# KiCad board central-control-unit.kicad_pcb (continued)
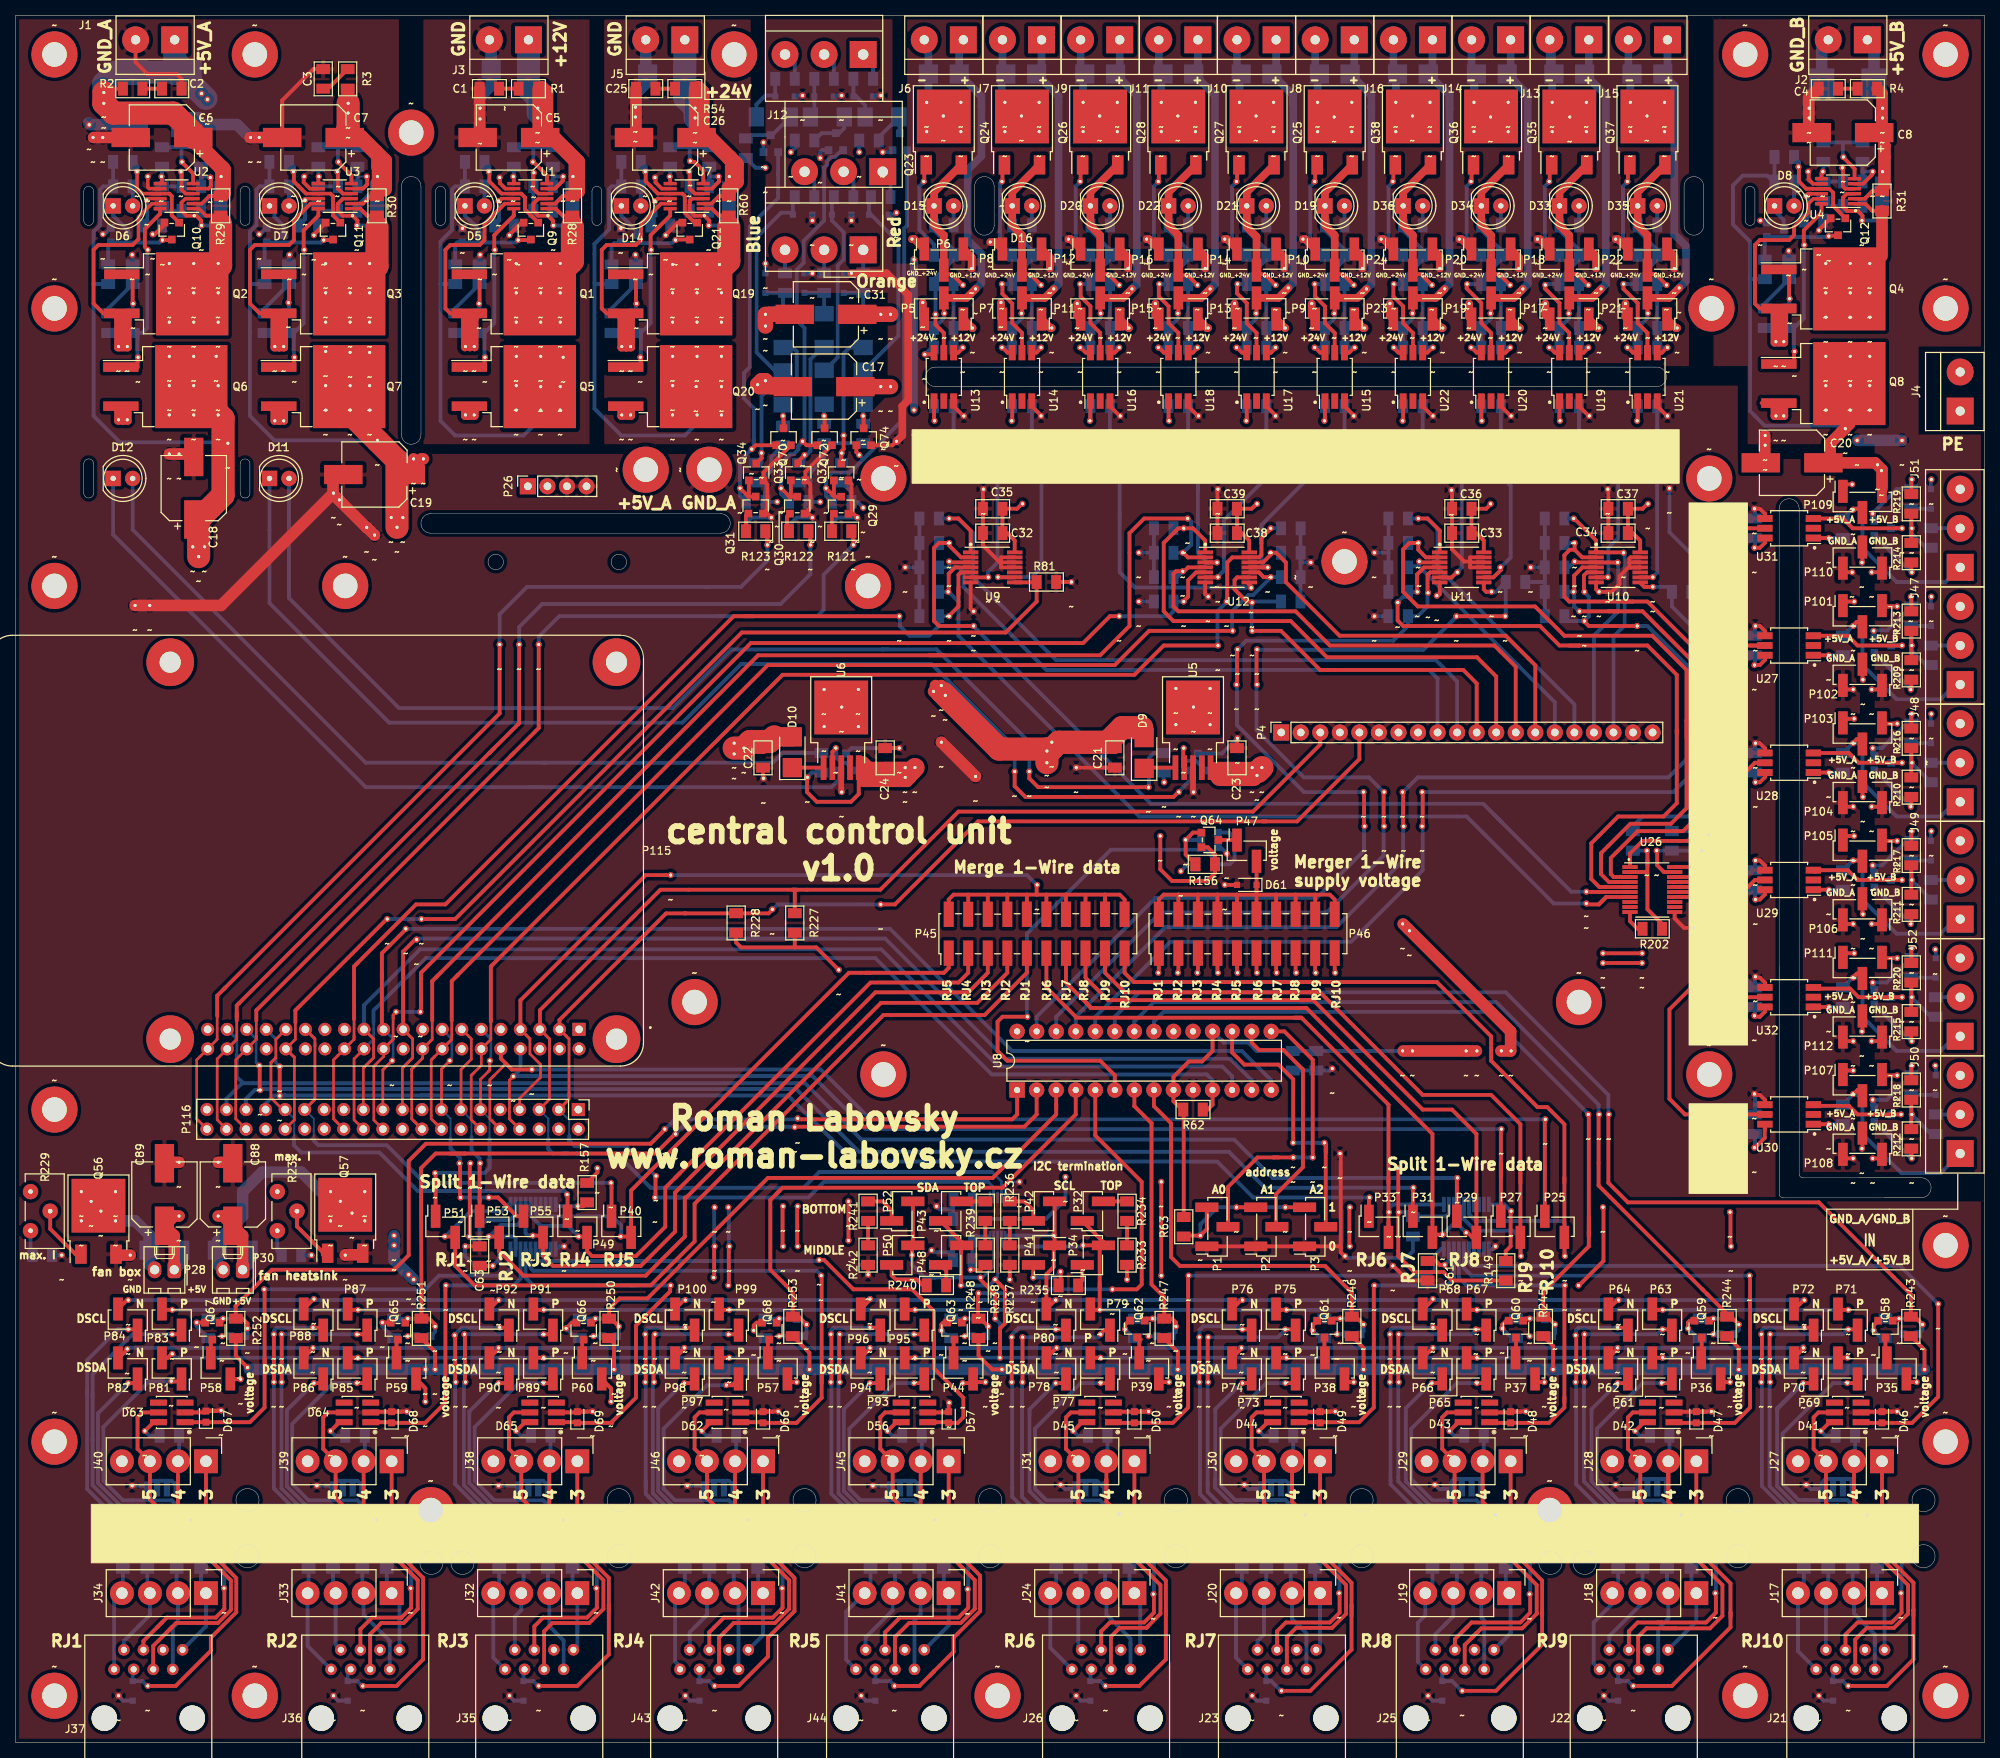
[diagram p0: board, top side]
## Nets (continued)
SYS_+5V: C18.1 C22.1 D10.2 P26.1 P26.2 Q6.3 R41.1 R45.1 R49.1 ~#11.1 ~#350.~ ~#398.~ ~#427.~ ~#774.~ ~#775.~ ~#856.~ ~#884.~ ~#885.~ ~#886.~ ~#887.~ ~#888.~ ~#889.~ ~#890.~ ~#891.~ ~#1139.~ ~#1143.~
Net-(C1-Pad1): C1.1 R1.2
Net-(C2-Pad1): C2.1 R2.2
Net-(C3-Pad1): C3.1 R3.2
Net-(C4-Pad1): C4.1 R4.2
Net-(C5-Pad1): C5.1 D1.1 J3.1 R1.1 R5.1 R24.1 R28.2 U1.2 ~#803.~ ~#804.~ ~#805.~
Net-(C8-Pad1): C8.1 D4.1 J2.1 R4.1 R19.1 R27.1 R31.2 U4.2 ~#521.~ ~#527.~ ~#724.~
Net-(C9-Pad1): C9.1 U1.10 ~#802.~
Net-(C10-Pad1): C10.1 U2.10 ~#419.~
Net-(C11-Pad1): C11.1 U3.10 ~#434.~
Net-(C12-Pad1): C12.1 U4.10 ~#529.~
Net-(C13-Pad1): C13.1 R36.1
Net-(C14-Pad1): C14.1 R37.1
Net-(C15-Pad1): C15.1 R38.1
Net-(C16-Pad1): C16.1 R39.1
Net-(C25-Pad1): C25.1 R54.2
Net-(C26-Pad1): C26.1 D13.1 J5.1 R54.1 R55.1 R59.1 R60.2 U7.2 ~#813.~ ~#826.~ ~#838.~
Net-(C27-Pad1): C27.1 U7.10 ~#832.~
Net-(C28-Pad1): C28.1 R64.1
Net-(C40-Pad1): C40.1 C41.1 D17.1 J6.1 P5.2 U13.6 ~#444.~ ~#765.~ ~#766.~
Net-(C40-Pad2): C40.2 C41.2 D15.1 P6.2 Q23.2 R98.2 U13.4 ~#445.~ ~#1117.~
Net-(C42-Pad1): C42.1 C43.1 D18.1 J7.1 P7.2 U14.6 ~#450.~ ~#763.~ ~#764.~
Net-(C42-Pad2): C42.2 C43.2 D16.1 P8.2 Q24.2 R100.2 U14.4 ~#448.~ ~#451.~
Net-(C44-Pad1): C44.1 C46.1 D23.1 J8.1 P9.2 U15.6 ~#470.~ ~#755.~ ~#756.~
Net-(C44-Pad2): C44.2 C46.2 D19.1 P10.2 Q25.2 R108.2 U15.4 ~#469.~ ~#471.~
Net-(C45-Pad1): C45.1 C49.1 D24.1 J9.1 P11.2 U16.6 ~#455.~ ~#761.~ ~#762.~
Net-(C45-Pad2): C45.2 C49.2 D20.1 P12.2 Q26.2 R111.2 U16.4 ~#454.~ ~#456.~
Net-(C47-Pad1): C47.1 C50.1 D25.1 J10.1 P13.2 U17.6 ~#465.~ ~#757.~ ~#758.~
Net-(C47-Pad2): C47.2 C50.2 D21.1 P14.2 Q27.2 R113.2 U17.4 ~#463.~ ~#466.~
Net-(C48-Pad1): C48.1 C51.1 D26.1 J11.1 P15.2 U18.6 ~#460.~ ~#759.~ ~#760.~
Net-(C48-Pad2): C48.2 C51.2 D22.1 P16.2 Q28.2 R115.2 U18.4 ~#458.~ ~#461.~
Net-(C52-Pad1): C52.1 C56.1 D37.1 J13.1 P17.2 U19.6 ~#485.~ ~#749.~ ~#750.~
Net-(C52-Pad2): C52.2 C56.2 D33.1 P18.2 Q35.2 R141.2 U19.4 ~#484.~ ~#486.~
Net-(C53-Pad1): C53.1 C57.1 D38.1 J14.1 P19.2 U20.6 ~#480.~ ~#751.~ ~#752.~
Net-(C53-Pad2): C53.2 C57.2 D34.1 P20.2 Q36.2 R142.2 U20.4 ~#479.~ ~#481.~
Net-(C54-Pad1): C54.1 C58.1 D39.1 J15.1 P21.2 U21.6 ~#489.~ ~#746.~ ~#747.~
Net-(C54-Pad2): C54.2 C58.2 D35.1 P22.2 Q37.2 R143.2 U21.4 ~#487.~ ~#490.~
Net-(C55-Pad1): C55.1 C59.1 D40.1 J16.1 P23.2 U22.6 ~#475.~ ~#753.~ ~#754.~
Net-(C55-Pad2): C55.2 C59.2 D36.1 P24.2 Q38.2 R144.2 U22.4 ~#474.~ ~#476.~
Net-(C82-Pad1): C82.1 D84.1 R209.1 R213.2 R221.2 ~#546.~
Net-(C82-Pad2): C82.2 D84.2 J47.3 P102.2 Q50.2 R213.1 ~#544.~ ~#548.~ ~#550.~ ~#709.~
Net-(C83-Pad1): C83.1 D85.1 R210.1 R216.2 R222.2 ~#555.~
Net-(C83-Pad2): C83.2 D85.2 J48.3 P104.2 Q51.2 R216.1 ~#552.~ ~#554.~ ~#558.~ ~#708.~
Net-(C84-Pad1): C84.1 D86.1 R211.1 R217.2 R223.2 ~#564.~
Net-(C84-Pad2): C84.2 D86.2 J49.3 P106.2 Q52.2 R217.1 ~#560.~ ~#562.~ ~#566.~ ~#707.~
Net-(C85-Pad1): C85.1 D87.1 R212.1 R218.2 R224.2 ~#580.~
Net-(C85-Pad2): C85.2 D87.2 J50.3 P108.2 Q53.2 R218.1 ~#576.~ ~#584.~ ~#685.~ ~#686.~
Net-(C86-Pad1): C86.1 D88.1 R214.1 R219.2 R225.2 ~#539.~
Net-(C86-Pad2): C86.2 D88.2 J51.3 P110.2 Q54.2 R219.1 ~#536.~ ~#538.~ ~#542.~ ~#710.~
Net-(C87-Pad1): C87.1 D89.1 R215.1 R220.2 R226.2 ~#572.~
Net-(C87-Pad2): C87.2 D89.2 J52.3 P112.2 Q55.2 R220.1 ~#568.~ ~#571.~ ~#574.~ ~#706.~
Net-(D5-Pad1): D5.1 Q13.3
Net-(D5-Pad2): D5.2 R48.2
Net-(D6-Pad1): D6.1 Q14.3
Net-(D6-Pad2): D6.2 R49.2
Net-(D7-Pad1): D7.1 Q15.3
Net-(D7-Pad2): D7.2 R50.2
Net-(D8-Pad1): D8.1 Q16.3
Net-(D8-Pad2): D8.2 R51.2
Net-(D9-Pad1): D9.1 U5.1
Net-(D10-Pad1): D10.1 U6.1
Net-(D11-Pad1): D11.1 Q17.2 ~#356.~ ~#390.~
Net-(D11-Pad2): D11.2 R52.2 ~#355.~ ~#389.~
Net-(D12-Pad1): D12.1 Q18.2
Net-(D12-Pad2): D12.2 R53.2
Net-(D14-Pad1): D14.1 Q22.3
Net-(D14-Pad2): D14.2 R67.2
Net-(D15-Pad2): D15.2 R96.2
Net-(D16-Pad2): D16.2 R97.2
Net-(D17-Pad2): D17.2 J6.2 Q23.3 ~#745.~ ~#921.~ ~#922.~ ~#923.~ ~#924.~
Net-(D18-Pad2): D18.2 J7.2 Q24.3 ~#491.~ ~#925.~ ~#926.~ ~#927.~ ~#928.~
Net-(D19-Pad2): D19.2 R106.2
Net-(D20-Pad2): D20.2 R107.2
Net-(D21-Pad2): D21.2 R109.2
Net-(D22-Pad2): D22.2 R110.2
Net-(D23-Pad2): D23.2 J8.2 Q25.3 ~#495.~ ~#941.~ ~#942.~ ~#943.~ ~#944.~
Net-(D24-Pad2): D24.2 J9.2 Q26.3 ~#492.~ ~#929.~ ~#930.~ ~#931.~ ~#932.~
Net-(D25-Pad2): D25.2 J10.2 Q27.3 ~#494.~ ~#937.~ ~#938.~ ~#939.~ ~#940.~
Net-(D26-Pad2): D26.2 J11.2 Q28.3 ~#493.~ ~#933.~ ~#934.~ ~#935.~ ~#936.~
Net-(D27-Pad1): D27.1 D30.1 R130.1
Net-(D27-Pad2): D27.2 Q32.3 R127.2 ~#1079.~ ~#1080.~
Net-(D28-Pad1): D28.1 D31.1 R131.1
Net-(D28-Pad2): D28.2 Q33.3 R128.2 ~#1087.~
Net-(D29-Pad1): D29.1 D32.1 R132.1
Net-(D29-Pad2): D29.2 Q34.3 R129.2 ~#1115.~
Net-(D33-Pad2): D33.2 R137.2
Net-(D34-Pad2): D34.2 R138.2
Net-(D35-Pad2): D35.2 R139.2
Net-(D36-Pad2): D36.2 R140.2
Net-(D37-Pad2): D37.2 J13.2 Q35.3 ~#498.~ ~#953.~ ~#954.~ ~#955.~ ~#956.~
Net-(D38-Pad2): D38.2 J14.2 Q36.3 ~#497.~ ~#949.~ ~#950.~ ~#951.~ ~#952.~
Net-(D39-Pad2): D39.2 J15.2 Q37.3 ~#499.~ ~#957.~ ~#958.~ ~#959.~ ~#960.~
Net-(D40-Pad2): D40.2 J16.2 Q38.3 ~#496.~ ~#945.~ ~#946.~ ~#947.~ ~#948.~
Net-(D41-Pad3): D41.3
Net-(D41-Pad4): D41.4
Net-(D41-Pad6): D41.6 R270.1 ~#1127.~
Net-(D42-Pad3): D42.3
Net-(D42-Pad4): D42.4
Net-(D42-Pad6): D42.6 R266.1 ~#1126.~
Net-(D43-Pad3): D43.3
Net-(D43-Pad4): D43.4
Net-(D43-Pad6): D43.6 R268.1 ~#1125.~
Net-(D44-Pad3): D44.3
Net-(D44-Pad4): D44.4
Net-(D44-Pad6): D44.6 R271.1 ~#1124.~
Net-(D45-Pad3): D45.3
Net-(D45-Pad4): D45.4
Net-(D45-Pad6): D45.6 R269.1 ~#1123.~
Net-(D56-Pad3): D56.3
Net-(D56-Pad4): D56.4
Net-(D56-Pad6): D56.6 R267.1 ~#1122.~
Net-(D58-Pad2): D58.2 P28.2 Q56.3 ~#134.~ ~#291.~ ~#1012.~ ~#1013.~ ~#1014.~ ~#1015.~
Net-(D59-Pad2): D59.2 P30.2 Q57.3 ~#133.~ ~#292.~ ~#1016.~ ~#1017.~ ~#1018.~ ~#1019.~
Net-(D62-Pad3): D62.3
Net-(D62-Pad4): D62.4
Net-(D62-Pad6): D62.6 R275.1 ~#1121.~
Net-(D63-Pad3): D63.3
Net-(D63-Pad4): D63.4
Net-(D63-Pad6): D63.6 R274.1 ~#1118.~
Net-(D64-Pad3): D64.3
Net-(D64-Pad4): D64.4
Net-(D64-Pad6): D64.6 R272.1 ~#1119.~
Net-(D65-Pad3): D65.3
Net-(D65-Pad4): D65.4
Net-(D65-Pad6): D65.6 R273.1 ~#1120.~
Net-(D74-Pad1): D74.1 P61.1 R162.2 ~#145.~
Net-(D74-Pad2): D74.2 P62.1 R163.2 ~#144.~
Net-(D74-Pad3): D74.3 P63.1 R164.2 ~#147.~ ~#273.~ ~#274.~
Net-(D74-Pad4): D74.4 P64.1 R165.2 ~#146.~ ~#272.~ ~#275.~
Net-(D75-Pad1): D75.1 P65.1 R166.2 ~#87.~
Net-(D75-Pad2): D75.2 P66.1 R167.2 ~#88.~
Net-(D75-Pad3): D75.3 P67.1 R168.2 ~#89.~ ~#262.~ ~#264.~
Net-(D75-Pad4): D75.4 P68.1 R169.2 ~#260.~ ~#261.~ ~#263.~
Net-(D76-Pad1): D76.1 P69.1 R170.2 ~#138.~
Net-(D76-Pad2): D76.2 P70.1 R171.2 ~#137.~
Net-(D76-Pad3): D76.3 P71.1 R172.2 ~#140.~ ~#283.~ ~#285.~
Net-(D76-Pad4): D76.4 P72.1 R173.2 ~#139.~ ~#282.~ ~#284.~
Net-(D77-Pad1): D77.1 P73.1 R174.2 ~#251.~
Net-(D77-Pad2): D77.2 P74.1 R175.2 ~#150.~
Net-(D77-Pad3): D77.3 P75.1 R176.2 ~#152.~ ~#247.~ ~#250.~
Net-(D77-Pad4): D77.4 P76.1 R177.2 ~#151.~ ~#248.~ ~#249.~
Net-(D78-Pad1): D78.1 P77.1 R178.2 ~#154.~
Net-(D78-Pad2): D78.2 P78.1 R179.2 ~#155.~
Net-(D78-Pad3): D78.3 P79.1 R180.2 ~#157.~ ~#237.~ ~#1049.~
Net-(D78-Pad4): D78.4 P80.1 R181.2 ~#156.~ ~#236.~ ~#238.~
Net-(D79-Pad1): D79.1 P81.1 R182.2 ~#82.~
Net-(D79-Pad2): D79.2 P82.1 R183.2 ~#83.~
Net-(D79-Pad3): D79.3 P83.1 R184.2 ~#179.~
Net-(D79-Pad4): D79.4 P84.1 R185.2 ~#178.~
Net-(D80-Pad1): D80.1 P85.1 R186.2 ~#188.~
Net-(D80-Pad2): D80.2 P86.1 R187.2 ~#189.~
Net-(D80-Pad3): D80.3 P87.1 R188.2 ~#173.~ ~#191.~ ~#192.~
Net-(D80-Pad4): D80.4 P88.1 R189.2 ~#174.~ ~#190.~ ~#1005.~
Net-(D81-Pad1): D81.1 P89.1 R190.2 ~#170.~
Net-(D81-Pad2): D81.2 P90.1 R191.2 ~#171.~
Net-(D81-Pad3): D81.3 P91.1 R192.2 ~#169.~ ~#200.~ ~#201.~
Net-(D81-Pad4): D81.4 P92.1 R193.2 ~#168.~ ~#199.~ ~#202.~
Net-(D82-Pad1): D82.1 P93.1 R194.2 ~#159.~
Net-(D82-Pad2): D82.2 P94.1 R195.2 ~#160.~
Net-(D82-Pad3): D82.3 P95.1 R196.2 ~#162.~ ~#224.~ ~#226.~
Net-(D82-Pad4): D82.4 P96.1 R197.2 ~#161.~ ~#223.~ ~#225.~
Net-(D83-Pad1): D83.1 P97.1 R198.2 ~#213.~
Net-(D83-Pad2): D83.2 P98.1 R199.2 ~#163.~
Net-(D83-Pad3): D83.3 P99.1 R200.2 ~#164.~ ~#210.~ ~#212.~
Net-(D83-Pad4): D83.4 P100.1 R201.2 ~#165.~ ~#209.~ ~#211.~
Net-(D90-Pad1): D90.1 D96.1 R260.1
Net-(D90-Pad2): D90.2 Q69.3 R254.2
Net-(D91-Pad1): D91.1 D97.1 R261.1
Net-(D91-Pad2): D91.2 Q70.3 R255.2 ~#1114.~
Net-(D92-Pad2): D92.2 Q71.3 R256.2
Net-(D93-Pad1): D93.1 D98.1 R263.1
Net-(D93-Pad2): D93.2 Q72.3 R257.2 ~#1113.~
Net-(D94-Pad1): D94.1 D99.1 R264.1
Net-(D94-Pad2): D94.2 Q73.3 R258.2
Net-(D95-Pad2): D95.2 Q74.3 R259.2 ~#1116.~
Net-(D100-Pad1): D92.1 D100.1 R262.1
Net-(D101-Pad1): D95.1 D101.1 R265.1
Net-(J21-Pad6): J21.6
Net-(J22-Pad6): J22.6
Net-(J23-Pad6): J23.6
Net-(J25-Pad6): J25.6
Net-(J26-Pad6): J26.6
Net-(J27-Pad4): J27.4
Net-(J28-Pad4): J28.4
Net-(J29-Pad4): J29.4
Net-(J30-Pad4): J30.4
Net-(J31-Pad4): J31.4
Net-(J35-Pad6): J35.6
Net-(J36-Pad6): J36.6
Net-(J37-Pad6): J37.6
Net-(J38-Pad4): J38.4
Net-(J39-Pad4): J39.4
Net-(J40-Pad4): J40.4
Net-(J43-Pad6): J43.6
Net-(J44-Pad6): J44.6
Net-(J45-Pad4): J45.4
Net-(J46-Pad4): J46.4
Net-(J47-Pad1): J47.1 P101.2 R203.1 ~#547.~
Net-(J47-Pad2): J47.2 R221.1
Net-(J48-Pad1): J48.1 P103.2 R204.1 ~#553.~
Net-(J48-Pad2): J48.2 R222.1
Net-(J49-Pad1): J49.1 P105.2 R205.1 ~#561.~
Net-(J49-Pad2): J49.2 R223.1
Net-(J50-Pad1): J50.1 P107.2 R206.1 ~#583.~
Net-(J50-Pad2): J50.2 R224.1
Net-(J51-Pad1): J51.1 P109.2 R207.1 ~#537.~
Net-(J51-Pad2): J51.2 R225.1
Net-(J52-Pad1): J52.1 P111.2 R208.1 ~#570.~
Net-(J52-Pad2): J52.2 R226.1
Net-(P1-Pad3): P1.3 P2.3 P3.3 R63.2 ~#113.~ ~#114.~ ~#310.~
Net-(P4-Pad7): P4.7
Net-(P32-Pad2): P32.2 R234.2
Net-(P34-Pad1): P34.1 R235.1
Net-(P35-Pad1): P35.1 Q58.3
Net-(P36-Pad1): P36.1 Q59.3
Net-(P37-Pad1): P37.1 Q60.3
Net-(P38-Pad1): P38.1 Q61.3
Net-(P39-Pad1): P39.1 Q62.3
Net-(P41-Pad2): P41.2 R235.2 ~#993.~ ~#1001.~
Net-(P42-Pad1): P42.1 R236.1
Net-(P43-Pad2): P43.2 R239.2
Net-(P44-Pad1): P44.1 Q63.3
Net-(P47-Pad1): P47.1 Q64.3
Net-(P48-Pad1): P48.1 R240.1
Net-(P50-Pad2): P50.2 R240.2
Net-(P52-Pad1): P52.1 R241.1
Net-(P57-Pad1): P57.1 Q68.3
Net-(P58-Pad1): P58.1 Q67.3
Net-(P59-Pad1): P59.1 Q65.3
Net-(P60-Pad1): P60.1 Q66.3
Net-(P115-Pad1): P115.1
Net-(P115-Pad2): P115.2
Net-(P115-Pad4): P115.4
Net-(P115-Pad6): P115.6
Net-(P115-Pad9): P115.9
Net-(P115-Pad14): P115.14
Net-(P115-Pad17): P115.17
Net-(P115-Pad20): P115.20
Net-(P115-Pad25): P115.25
Net-(P115-Pad27): P115.27
Net-(P115-Pad28): P115.28
Net-(P115-Pad30): P115.30
Net-(P115-Pad34): P115.34
Net-(P115-Pad39): P115.39
Net-(P116-Pad1): P116.1
Net-(P116-Pad2): P116.2
Net-(P116-Pad4): P116.4
Net-(P116-Pad6): P116.6
Net-(P116-Pad9): P116.9
Net-(P116-Pad14): P116.14
Net-(P116-Pad17): P116.17
Net-(P116-Pad20): P116.20
Net-(P116-Pad25): P116.25
Net-(P116-Pad27): P116.27
Net-(P116-Pad28): P116.28
Net-(P116-Pad30): P116.30
Net-(P116-Pad34): P116.34
Net-(P116-Pad39): P116.39
Net-(Q1-Pad1): Q1.1 R32.1 ~#814.~
Net-(Q1-Pad2): Q1.2 Q5.2 U1.11 ~#817.~ ~#819.~ ~#824.~ ~#825.~
Net-(Q1-Pad3): Q1.3 R28.1 U1.1 ~#855.~ ~#892.~ ~#893.~ ~#894.~ ~#895.~ ~#896.~ ~#897.~ ~#898.~ ~#899.~
Net-(Q2-Pad1): Q2.1 R33.1 ~#423.~
Net-(Q2-Pad2): Q2.2 Q6.2 U2.11 ~#425.~ ~#789.~ ~#790.~ ~#791.~
Net-(Q2-Pad3): Q2.3 R29.1 U2.1 ~#857.~ ~#876.~ ~#877.~ ~#878.~ ~#879.~ ~#880.~ ~#881.~ ~#882.~ ~#883.~
Net-(Q3-Pad1): Q3.1 R34.1 ~#439.~
Net-(Q3-Pad2): Q3.2 Q7.2 U3.11 ~#441.~ ~#776.~ ~#777.~ ~#778.~
Net-(Q3-Pad3): Q3.3 R30.1 U3.1 ~#859.~ ~#860.~ ~#861.~ ~#862.~ ~#863.~ ~#864.~ ~#865.~ ~#866.~ ~#867.~
Net-(Q4-Pad1): Q4.1 R35.1 ~#533.~
Net-(Q4-Pad2): Q4.2 Q8.2 U4.11 ~#535.~ ~#717.~ ~#718.~ ~#719.~
Net-(Q4-Pad3): Q4.3 R31.1 U4.1 ~#962.~ ~#963.~ ~#964.~ ~#965.~ ~#966.~ ~#967.~ ~#968.~ ~#969.~ ~#970.~
Net-(Q5-Pad1): Q5.1 R32.2 R36.2 U1.12 ~#821.~ ~#822.~
Net-(Q6-Pad1): Q6.1 R33.2 R37.2 U2.12 ~#422.~ ~#424.~
Net-(Q7-Pad1): Q7.1 R34.2 R38.2 U3.12 ~#437.~ ~#440.~
Net-(Q8-Pad1): Q8.1 R35.2 R39.2 U4.12 ~#534.~ ~#720.~
Net-(Q9-Pad1): Q9.1 R40.2 U1.9 ~#801.~
Net-(Q10-Pad1): Q10.1 R41.2 U2.9 ~#418.~
Net-(Q10-Pad3): Q10.3 Q14.1 R45.2 ~#421.~
Net-(Q11-Pad1): Q11.1 R42.2 U3.9 ~#433.~
Net-(Q11-Pad3): Q11.3 Q15.1 R46.2 ~#436.~
Net-(Q12-Pad1): Q12.1 R43.2 U4.9 ~#522.~
Net-(Q12-Pad3): Q12.3 Q16.1 R47.2 ~#530.~
Net-(Q13-Pad1): Q9.3 Q13.1 R44.2 ~#812.~
Net-(Q17-Pad1): Q17.1 U5.2 ~#354.~
Net-(Q18-Pad1): Q18.1 U6.2 ~#351.~
Net-(Q19-Pad1): Q19.1 R61.1 ~#842.~
Net-(Q19-Pad2): Q19.2 Q20.2 U7.11 ~#835.~ ~#846.~ ~#847.~ ~#848.~
Net-(Q19-Pad3): Q19.3 R60.1 U7.1 ~#853.~ ~#906.~ ~#907.~ ~#908.~ ~#909.~ ~#910.~ ~#911.~ ~#912.~ ~#913.~
Net-(Q20-Pad1): Q20.1 R61.2 R64.2 U7.12 ~#844.~ ~#845.~
Net-(Q21-Pad1): Q21.1 R65.2 U7.9 ~#839.~
Net-(Q21-Pad3): Q21.3 Q22.1 R66.2 ~#831.~
Net-(Q23-Pad1): Q23.1 R99.1 ~#446.~
Net-(Q24-Pad1): Q24.1 R101.1 ~#447.~
Net-(Q25-Pad1): Q25.1 R112.1 ~#467.~
Net-(Q26-Pad1): Q26.1 R114.1 ~#452.~
Net-(Q27-Pad1): Q27.1 R116.1 ~#462.~
Net-(Q28-Pad1): Q28.1 R117.1 ~#457.~
Net-(Q29-Pad1): Q29.1 R121.1
Net-(Q30-Pad1): Q30.1 R122.1
Net-(Q31-Pad1): Q31.1 R123.1
Net-(Q35-Pad1): Q35.1 R145.1 ~#482.~
Net-(Q36-Pad1): Q36.1 R146.1 ~#477.~
Net-(Q37-Pad1): Q37.1 R147.1 ~#748.~
Net-(Q38-Pad1): Q38.1 R148.1 ~#472.~
Net-(Q39-Pad3): Q39.3 Q58.1 R150.2 ~#1059.~
Net-(Q40-Pad3): Q40.3 Q59.1 R151.2 ~#1056.~
Net-(Q41-Pad3): Q41.3 Q60.1 R152.2 ~#1054.~
Net-(Q42-Pad3): Q42.3 Q61.1 R153.2 ~#1050.~
Net-(Q43-Pad3): Q43.3 Q62.1 R154.2 ~#1046.~
Net-(Q44-Pad3): Q44.3 Q63.1 R155.2 ~#1040.~
Net-(Q45-Pad3): Q45.3 Q64.1 R156.2 ~#1063.~
Net-(Q46-Pad3): Q46.3 Q68.1 R158.2 ~#1044.~
Net-(Q47-Pad3): Q47.3 Q67.1 R159.2 ~#1028.~
Net-(Q48-Pad3): Q48.3 Q65.1 R160.2 ~#1030.~
Net-(Q49-Pad3): Q49.3 Q66.1 R161.2 ~#1031.~
Net-(Q50-Pad1): Q50.1 R209.2 ~#551.~
Net-(Q50-Pad3): Q50.3 U27.3 ~#545.~
Net-(Q51-Pad1): Q51.1 R210.2 ~#559.~
Net-(Q51-Pad3): Q51.3 U28.3 ~#556.~
Net-(Q52-Pad1): Q52.1 R211.2 ~#567.~
Net-(Q52-Pad3): Q52.3 U29.3 ~#563.~
Net-(Q53-Pad1): Q53.1 R212.2 ~#581.~
Net-(Q53-Pad3): Q53.3 U30.3 ~#579.~
Net-(Q54-Pad1): Q54.1 R214.2 ~#543.~
Net-(Q54-Pad3): Q54.3 U31.3 ~#540.~
Net-(Q55-Pad1): Q55.1 R215.2 ~#575.~
Net-(Q55-Pad3): Q55.3 U32.3 ~#573.~
Net-(Q56-Pad1): Q56.1 R229.2
Net-(Q57-Pad1): Q57.1 R231.2
Net-(R5-Pad2): R5.2 R6.1 U1.4 ~#820.~
Net-(R6-Pad2): R6.2 R7.1 U1.5 ~#807.~
Net-(R7-Pad2): R7.2 R8.1 U1.6 ~#818.~
Net-(R8-Pad2): R8.2 U1.7 ~#806.~
Net-(R10-Pad1): R9.2 R10.1
Net-(R10-Pad2): R10.2 R11.1 U2.4 ~#415.~
Net-(R11-Pad2): R11.2 R12.1 U2.5 ~#416.~
Net-(R12-Pad2): R12.2 R13.1 U2.6 ~#414.~
Net-(R13-Pad2): R13.2 U2.7 ~#417.~
Net-(R14-Pad2): R14.2 R15.1
Net-(R15-Pad2): R15.2 R16.1 U3.4 ~#430.~
Net-(R16-Pad2): R16.2 R17.1 U3.5 ~#431.~
Net-(R17-Pad2): R17.2 R18.1 U3.6 ~#429.~
Net-(R18-Pad2): R18.2 U3.7 ~#432.~
Net-(R19-Pad2): R19.2 R20.1
Net-(R20-Pad2): R20.2 R21.1 U4.4 ~#525.~
Net-(R21-Pad2): R21.2 R22.1 U4.5 ~#526.~
Net-(R22-Pad2): R22.2 R23.1 U4.6 ~#523.~
Net-(R23-Pad2): R23.2 U4.7 ~#524.~
Net-(R24-Pad2): R24.2 U1.3 ~#808.~
Net-(R25-Pad2): R25.2 U2.3 ~#420.~
Net-(R26-Pad2): R26.2 U3.3 ~#435.~
Net-(R27-Pad2): R27.2 U4.3 ~#528.~
Net-(R55-Pad2): R55.2 R56.1 U7.4 ~#828.~
Net-(R56-Pad2): R56.2 R57.1 U7.5 ~#830.~
Net-(R57-Pad2): R57.2 R58.1 U7.6 ~#827.~
Net-(R58-Pad2): R58.2 U7.7 ~#829.~
Net-(R59-Pad2): R59.2 U7.3 ~#833.~
Net-(R94-Pad2): R94.2 U13.1 ~#597.~
Net-(R95-Pad2): R95.2 U14.1 ~#596.~
Net-(R96-Pad1): R96.1 R98.1 R99.2 U13.5 ~#443.~
Net-(R100-Pad1): R97.1 R100.1 R101.2 U14.5 ~#449.~
Net-(R102-Pad2): R102.2 U15.1 ~#592.~
Net-(R103-Pad2): R103.2 U16.1 ~#595.~
Net-(R104-Pad2): R104.2 U17.1 ~#593.~
Net-(R105-Pad2): R105.2 U18.1 ~#594.~
Net-(R106-Pad1): R106.1 R108.1 R112.2 U15.5 ~#468.~
Net-(R107-Pad1): R107.1 R111.1 R114.2 U16.5 ~#453.~
Net-(R109-Pad1): R109.1 R113.1 R116.2 U17.5 ~#464.~
Net-(R110-Pad1): R110.1 R115.1 R117.2 U18.5 ~#459.~
Net-(R133-Pad2): R133.2 U19.1 ~#589.~
Net-(R134-Pad2): R134.2 U20.1 ~#590.~
Net-(R135-Pad2): R135.2 U21.1 ~#588.~
Net-(R136-Pad2): R136.2 U22.1 ~#591.~
Net-(R137-Pad1): R137.1 R141.1 R145.2 U19.5 ~#483.~
Net-(R138-Pad1): R138.1 R142.1 R146.2 U20.5 ~#478.~
Net-(R139-Pad1): R139.1 R143.1 R147.2 U21.5 ~#488.~
Net-(R140-Pad1): R140.1 R144.1 R148.2 U22.5 ~#473.~
Net-(R149-Pad2): R149.2 U23.10 ~#103.~
Net-(R157-Pad2): R157.2 U24.10 ~#128.~
Net-(R202-Pad2): R202.2 U26.10
Net-(R203-Pad2): R203.2 U27.1 ~#549.~
Net-(R204-Pad2): R204.2 U28.1 ~#557.~
Net-(R205-Pad2): R205.2 U29.1 ~#565.~
Net-(R206-Pad2): R206.2 U30.1 ~#582.~
Net-(R207-Pad2): R207.2 U31.1 ~#541.~
Net-(R208-Pad2): R208.2 U32.1 ~#569.~
Net-(R229-Pad1): R229.1 R230.2
Net-(R231-Pad1): R231.1 R232.2
Net-(R233-Pad2): R233.2 R234.1
Net-(R236-Pad2): R236.2 R237.1
Net-(R238-Pad2): R238.2 R239.1
Net-(R241-Pad2): R241.2 R242.1
Net-(U5-Pad4): U5.4
Net-(U5-Pad6): U5.6 ~#1134.~ ~#1135.~ ~#1136.~ ~#1137.~ ~#1138.~
Net-(U6-Pad4): U6.4
Net-(U6-Pad6): U6.6 ~#1129.~ ~#1130.~ ~#1131.~ ~#1132.~ ~#1133.~
Net-(U8-Pad19): U8.19
Net-(U8-Pad20): U8.20
Net-(U8-Pad28): U8.28
Net-(U9-Pad10): U9.10
Net-(U10-Pad10): U10.10
Net-(U11-Pad10): U11.10
Net-(U23-Pad7): U23.7
Net-(U23-Pad8): U23.8
Net-(U23-Pad9): U23.9
Net-(U23-Pad12): U23.12
Net-(U23-Pad13): U23.13
Net-(U23-Pad14): U23.14
Net-(U24-Pad7): U24.7
Net-(U24-Pad8): U24.8
Net-(U24-Pad9): U24.9
Net-(U24-Pad12): U24.12
Net-(U24-Pad13): U24.13
Net-(U24-Pad14): U24.14
Net-(U25-Pad3): U25.3
Net-(U26-Pad8): U26.8
Net-(U26-Pad9): U26.9
Net-(U26-Pad12): U26.12
Net-(U26-Pad13): U26.13

Pads without a net: P115 S1 S2 S3 S4; U13 2; U14 2; U15 2; U16 2; U17 2; U18 2; U19 2; U20 2; U21 2; U22 2; U27 2; U28 2; U29 2; U30 2; U31 2; U32 2

## Routing (per net, layer and track width the routed paths; a pad name or vN(x,y) marks a point on that pad's centre or on a via; arc(x,y) is an arc through that point)
+5V_A: length 166.4
  Top w0.25: 46.13,201.04 46.99,201.04 ; 46.77,201.68 46.99,201.68
  Top w0.45: 44.06,200.07 45.16,200.07 ; 25.18,201.04 24.2,200.07 U2.2
  Top w0.5: 25.18,201.04 26.03,201.04 ; R3.1 43.18,213.11 ; 46.99,202.95 46.99,203.58 ; 46.99,202.95 R26.1 ; 46.99,202.95 46.99,201.04 ; 45.16,200.07 46.13,201.04 ; 26.67,201.04 26.67,203.58 ; R2.1 12.06,215.01 11.43,214.38
  Top w1.5: C7.1 43.18,209.04 43.18,213.11 ; 46.99,201.74 46.99,202.85 47.07,202.93 47.07,204.77 46.99,204.85 46.99,206.57 ; 26.75,201.12 26.75,204.77 ; 12.7,211.84 11.43,213.11
  Top w2: 47.94,201.99 47.94,205.61 44.89,208.66 C7.1 ; 26.99,201.36 26.99,204.53 23.11,208.41 C6.1 ; 20.51,211.84 12.7,211.84 12.7,211.9 ~#799.~ ; J1.1 20.95,221.36
  Top w3: C6.1 23.11,209.23 20.51,211.84 12.76,211.84 ; 43.18,209.74 43.24,209.8 ~#785.~ ; 12.76,211.84 12.7,211.9 ; 12.76,211.84 ~#799.~ ~#800.~
  PWR.Cu w1.5: 43.18,211.84 43.18,213.74 42.55,214.38 41.72,214.38 ; 39.37,214.38 38.1,213.11 25.4,213.11 24.13,214.38
  PWR.Cu w3: ~#784.~ ~#785.~ 41.97,214.38 39.37,214.38 38.16,213.17 25.4,213.17 ~#787.~
  Bottom w0.5: 44.45,199.14 44.45,199.77 R26.1 46.99,203.58 ; 24.13,199.14 24.13,199.77 R25.1 26.67,203.58
  Bottom w1.5: D2.1 12.92,217.14 11.43,215.65 11.43,213.11
  Bottom w2: D2.1 19.18,217.14 20.7,218.66
  Bottom w3: D3.1 22.23,216.28 24.77,213.74 ; D3.1 D2.1 ; D3.1 20.7,218.66 J1.1 ; ~#799.~ 11.49,215.71 12.92,217.14
+12V: length 377.6
  Top w0.5: 195.58,183.9 194.31,183.9 P19.1 ; P23.1 184.15,183.9 185.42,183.9 ; 154.94,183.9 153.78,185.06 P15.1 153.67,184.53 ; 175.26,183.9 173.99,183.9 P9.1 ; 124.46,183.9 123.83,183.9 123.19,184.53 P5.1 ; P7.1 133.35,184.53 133.99,183.9 134.62,183.9 ; 214.63,183.9 P21.1 214.63,184.53 215.27,183.9 215.9,183.9 ; 165.1,183.9 164.47,183.9 163.83,184.53 P13.1 ; P11.1 143.51,184.53 144.15,183.9 144.78,183.9 ; 205.74,183.9 204.47,183.9 P17.1 204.47,184.53
  Top w1: P13.1 165,183.9 ~#515.~ ; P21.1 215.8,183.9 ~#519.~ ; ~#516.~ 175.16,183.9 P9.1 ; ~#513.~ 144.68,183.9 P11.1 ; P7.1 134.52,183.9 ~#512.~ ; ~#514.~ 154.84,183.9 P15.1 ; P5.1 124.36,183.9 ~#511.~ ; P23.1 185.32,183.9 ~#517.~ ; ~#518.~ 195.48,183.9 P19.1 ; P17.1 205.64,183.9 ~#726.~
  Top w1.5: 68.2,176.22 Q5.3
  Top w2: C17.1 ~#1069.~
  PWR.Cu w1.5: 213.36,183.9 214.63,183.9 ; 213.36,183.9 119.38,183.9 ; 213.36,183.9 215.9,183.9 ; 68.2,176.22 70.62,176.22
  PWR.Cu w2: 111.95,176.28 ~#1069.~ 115.38,177.93 115.38,180.47 118.81,183.9 ~#519.~ ; ~#849.~ ~#852.~ ; 109.66,176.28 107.89,176.28 ; 107.89,176.28 106.53,176.28 ; 107.89,176.28 106.27,176.28 ; 76.54,170.31 70.57,176.28
  PWR.Cu w2.5: 94.04,170.43 95.25,171.64 ; 95.25,171.64 93.92,170.31 76.54,170.31 70.62,176.22 ; 95.25,171.64 99.89,176.28 111.95,176.28 ; ~#849.~ 70.57,176.28
  Bottom w0.5: 55.25,189.61 55.25,195.14 56.74,196.63 56.74,201.9 57.15,202.31 R48.1 R40.1 ; 55.25,189.61 R44.1 ; 55.25,189.61 55.25,171.83 57.15,169.93 66.04,169.93 68.2,172.08 68.2,176.22
+24V: length 309.6
  Top w0.5: 118.03,187.15 118.11,187.07 P5.3 ; P7.3 128.27,187.07 128.19,187.15
  Top w1: 158.75,185.06 158.43,185.38 ~#506.~ ; P9.3 168.47,185.51 ~#507.~ ; ~#508.~ 178.63,185.51 P23.3 ; ~#727.~ 198.82,185.63 P17.3 ; ~#504.~ 137.99,185.51 P11.3 ; ~#505.~ 148.15,185.51 148.59,185.06 ; P19.3 188.91,185.38 ~#509.~ ; ~#502.~ 117.92,185.25 P5.3 ; P7.3 128.08,185.25 ~#503.~ ; ~#510.~ 209.23,185.38 P21.3
  Top w1.5: Q20.3 89.53,176.28 ; Q20.3 88.52,176.22 ; Q20.3 91.89,179.7
  Top w2: C31.1 ~#1073.~ 111.7,185.67 ; 91.38,176.28 Q20.3
  PWR.Cu w1.5: 121.2,187.15 124.38,187.15 ; 124.38,187.15 168.83,187.15 ; 124.38,187.15 118.19,187.15 ; 168.83,187.15 198.84,187.15 ; 168.83,187.15 170.1,187.15 ; Q20.3 88.9,176.28
  PWR.Cu w2: 199.08,187.33 209.1,187.33 ; ~#1073.~ 111.7,185.67 106.36,180.34 95.44,180.34 91.38,176.28 Q20.3 ; 198.56,187.33 118.01,187.33 116.36,185.67 ~#1072.~
  Bottom w0.5: Q20.3 88.47,171.4 87,169.93 78.74,169.93 75.25,173.42 75.25,189.74 ; 75.25,189.74 75.37,189.61 R66.1 ; 75.25,189.74 75.25,194.82 77.15,196.72 77.15,201.99 77.47,202.31 R67.1 R65.1
GND_+12V: length 326.1
  Top w0.45: U1.8 63.67,202.02
  Top w0.5: 173.99,193.42 P10.3 175.05,193.11 175.05,192.28 ; P22.3 214.63,193.42 ; 143.51,193.42 P12.3 144.57,193.11 144.57,192.28 ; P16.3 153.67,193.42 ; P18.3 204.47,193.42 ; 184.15,193.42 P24.3 185.21,193.11 185.21,192.28 ; 133.35,193.42 P8.3 134.41,193.11 134.41,192.28 ; 163.83,193.42 P14.3 164.89,193.11 164.89,192.28 ; 194.31,193.42 P20.3 195.37,193.11 195.37,192.28 ; 62.95,203.51 62.95,202.73 63.67,202.02 ; 64.14,195.96 65.77,197.6 Q9.2 ; 123.19,194.06 P6.3 124.24,193.11 124.24,192.28
  Top w1: ~#733.~ 154.62,193.21 P16.3 ; P24.3 185.1,193.21 185.1,192.28 ; ~#730.~ 185.1,192.18 ; P22.3 215.58,193.21 ~#501.~ ; P12.3 144.59,193.08 ~#734.~ ; ~#729.~ 195.39,193.08 P20.3 ; ~#731.~ 175.07,193.08 P10.3 ; P18.3 205.42,193.21 ~#728.~ ; ~#736.~ 124.27,193.08 P6.3 ; ~#735.~ 134.43,193.08 P8.3 ; P14.3 164.91,193.08 ~#732.~